# KiCad board poly_kb_molecule_4x4.kicad_pcb (continued)
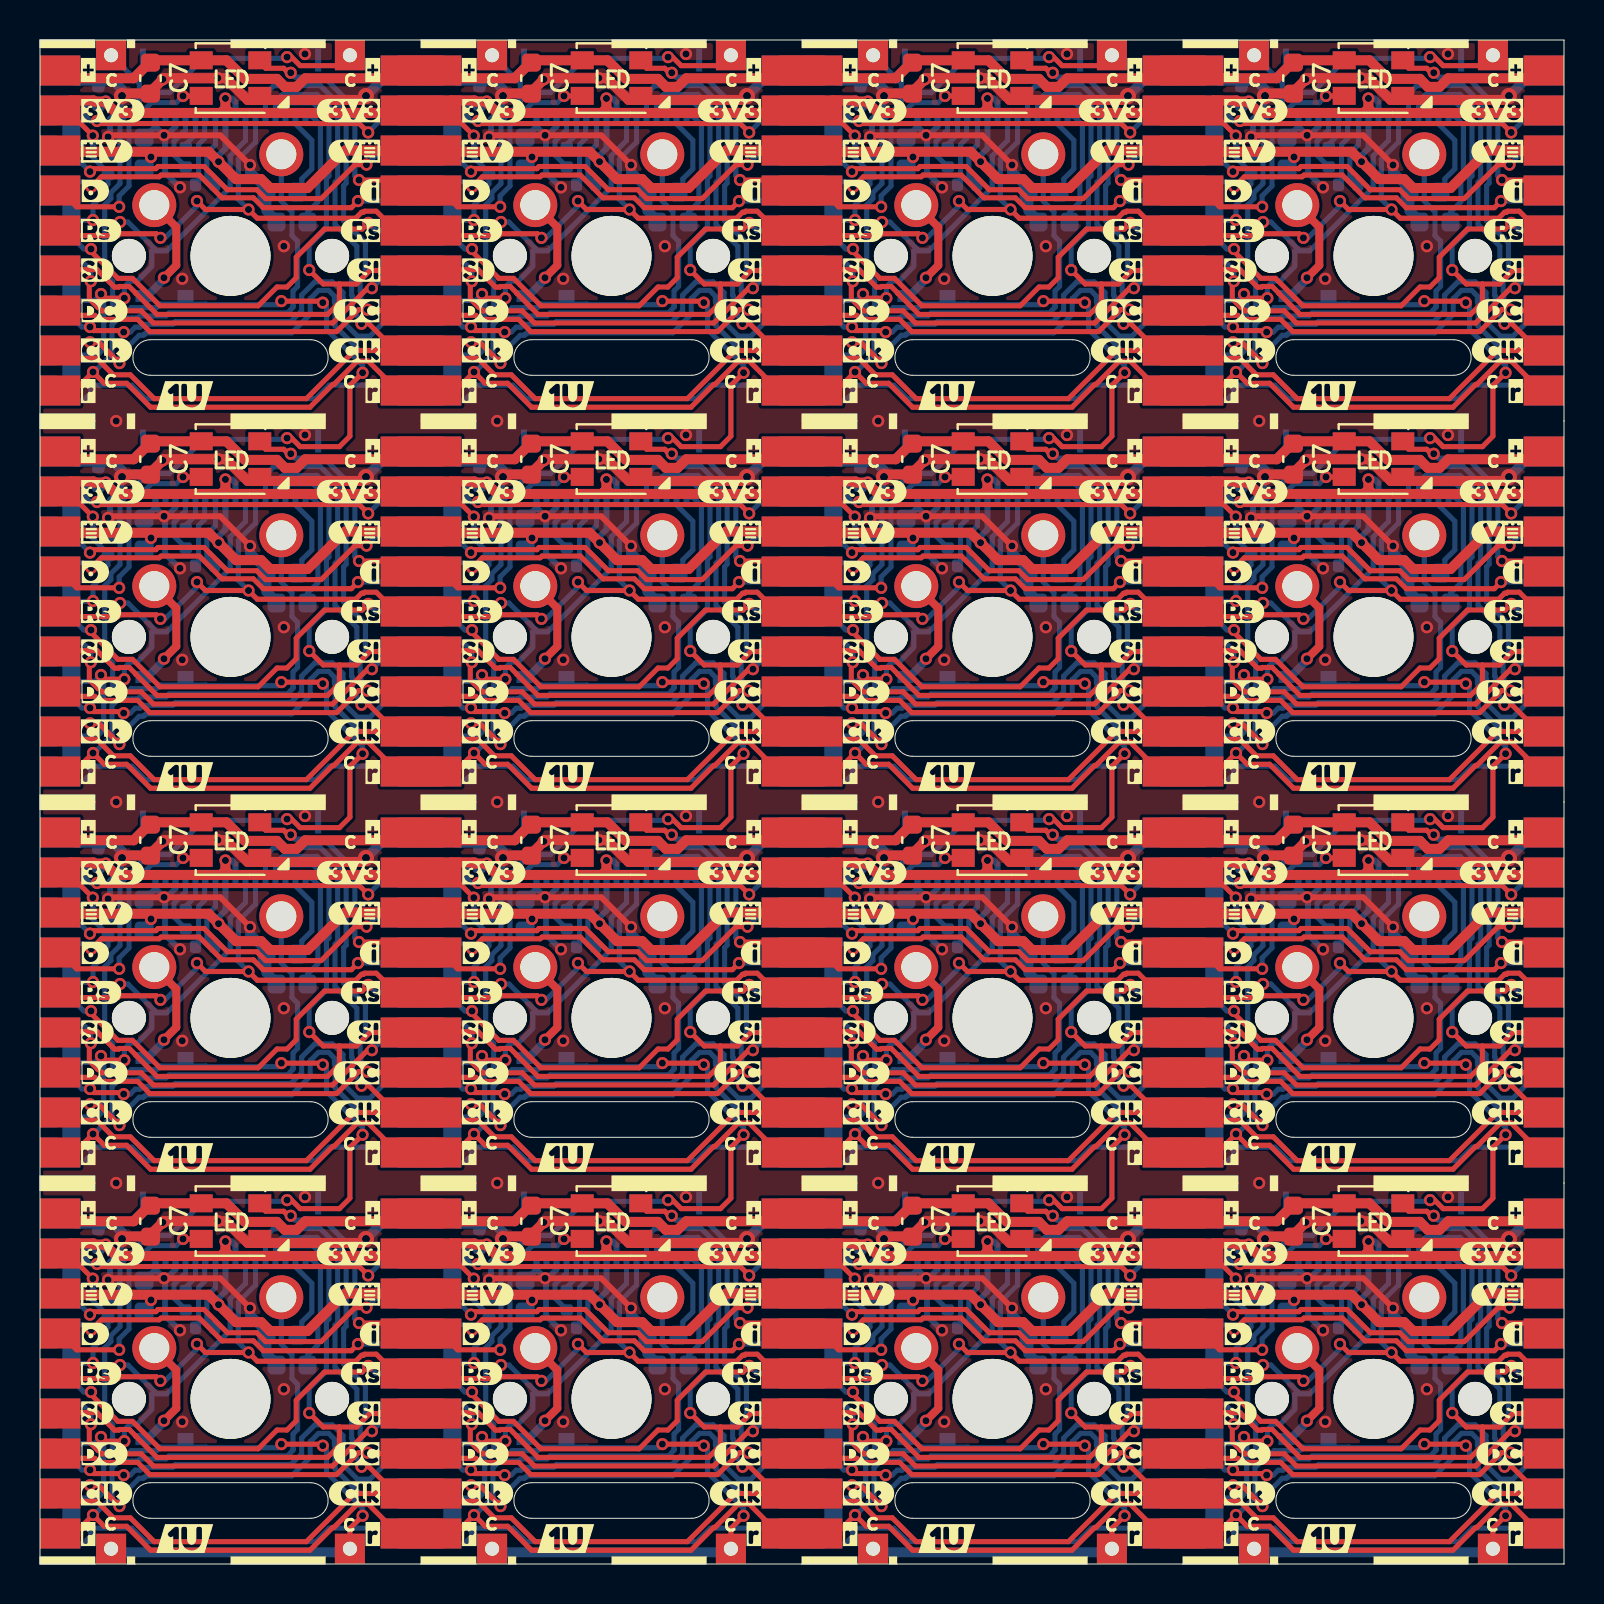
[diagram p0: board, top side]
## Routing (per net, layer and track width the routed paths; a pad name or vN(x,y) marks a point on that pad's centre or on a via; arc(x,y) is an arc through that point) (continued)
  Bottom w0.254: v1(59.65,69.62) 59.22,70.05 59.15,70.05 ; v1(35.37,12.82) 36.08,13.53 36.83,13.53 ; 74.93,32.58 74.18,32.58 v1(73.47,31.87) ; 55.88,70.68 55.13,70.68 v1(54.42,69.97) ; v1(73.47,12.82) 74.18,13.53 74.93,13.53 ; v1(21.55,31.52) 21.12,31.95 21.05,31.95 ; v1(16.32,69.97) 17.03,70.68 17.78,70.68 ; v1(21.55,50.57) 21.12,51 21.05,51 ; 36.83,70.68 36.08,70.68 v1(35.37,69.97) ; v1(2.5,31.52) 2.07,31.95 2,31.95 ; 21.05,70.05 21.12,70.05 v1(21.55,69.62) ; v1(16.32,12.82) 17.03,13.53 17.78,13.53 ; v1(54.42,12.82) 55.13,13.53 55.88,13.53 ; v1(40.6,50.57) 40.17,51 40.1,51 ; 40.1,70.05 40.17,70.05 v1(40.6,69.62) ; 40.1,12.9 40.17,12.9 v1(40.6,12.47) ; v1(59.65,12.47) 59.22,12.9 59.15,12.9 ; 55.88,32.58 55.13,32.58 v1(54.42,31.87) ; v1(73.47,69.97) 74.18,70.68 74.93,70.68 ; v1(35.37,31.87) 36.08,32.58 36.83,32.58 ; v1(2.5,12.47) 2.07,12.9 2,12.9 ; v1(2.5,69.62) 2.07,70.05 2,70.05 ; v1(40.6,31.52) 40.17,31.95 40.1,31.95 ; 55.88,51.63 55.13,51.63 v1(54.42,50.92) ; v1(35.37,50.92) 36.08,51.63 36.83,51.63 ; 59.15,51 59.22,51 v1(59.65,50.57) ; v1(16.32,31.87) 17.03,32.58 17.78,32.58 ; 17.78,51.63 17.03,51.63 v1(16.32,50.92) ; v1(2.5,50.57) 2.07,51 2,51 ; v1(73.47,50.92) 74.18,51.63 74.93,51.63 ; v1(21.55,12.47) 21.12,12.9 21.05,12.9 ; 59.15,31.95 59.22,31.95 v1(59.65,31.52)
  Bottom w1.5: J6#11.3 J5#7.3 ; J6#13.3 J5#4.3 ; J6#10.3 J5#10.3 ; J6#9.3 J5#11.3 ; J6#14.3 J5#6.3 ; J6#15.3 J5#16.3 ; J6.3 J5#13.3 ; J6#3.3 J5#2.3 ; J6#4.3 J5#5.3 ; J6#6.3 J5#12.3 ; J6#2.3 J5#15.3 ; J6#16.3 J5#8.3
CS3: length 320.3
  Top w0.254: v1(59.72,30.76) 60.22,31.26 63.11,31.26 63.2,31.35 65.12,31.35 66.25,30.21 67.82,30.21 68.31,29.72 72.72,29.72 v1(73.05,30.05) ; v1(59.72,68.86) 60.22,69.36 63.11,69.36 63.2,69.45 65.12,69.45 66.25,68.31 67.82,68.31 68.31,67.82 72.72,67.82 v1(73.05,68.15) ; v1(15.9,30.05) 15.57,29.72 11.16,29.72 10.67,30.21 9.1,30.21 7.97,31.35 6.05,31.35 5.96,31.26 3.07,31.26 v1(2.57,30.76) ; v1(34.95,68.15) 34.62,67.82 30.21,67.82 29.72,68.31 28.15,68.31 27.02,69.45 25.1,69.45 25.01,69.36 22.12,69.36 v1(21.62,68.86) ; v1(34.95,30.05) 34.62,29.72 30.21,29.72 29.72,30.21 28.15,30.21 27.02,31.35 25.1,31.35 25.01,31.26 22.12,31.26 v1(21.62,30.76) ; v1(15.9,49.1) 15.57,48.77 11.16,48.77 10.67,49.26 9.1,49.26 7.97,50.4 6.05,50.4 5.96,50.31 3.07,50.31 v1(2.57,49.81) ; v1(34.95,49.1) 34.62,48.77 30.21,48.77 29.72,49.26 28.15,49.26 27.02,50.4 25.1,50.4 25.01,50.31 22.12,50.31 v1(21.62,49.81) ; v1(40.67,11.71) 41.17,12.21 44.06,12.21 44.15,12.3 46.07,12.3 47.2,11.16 48.77,11.16 49.26,10.67 53.67,10.67 v1(54,11) ; v1(40.67,49.81) 41.17,50.31 44.06,50.31 44.15,50.4 46.07,50.4 47.2,49.26 48.77,49.26 49.26,48.77 53.67,48.77 v1(54,49.1) ; v1(73.05,11) 72.72,10.67 68.31,10.67 67.82,11.16 66.25,11.16 65.12,12.3 63.2,12.3 63.11,12.21 60.22,12.21 v1(59.72,11.71) ; v1(40.67,68.86) 41.17,69.36 44.06,69.36 44.15,69.45 46.07,69.45 47.2,68.31 48.77,68.31 49.26,67.82 53.67,67.82 v1(54,68.15) ; v1(34.95,11) 34.62,10.67 30.21,10.67 29.72,11.16 28.15,11.16 27.02,12.3 25.1,12.3 25.01,12.21 22.12,12.21 v1(21.62,11.71) ; v1(73.05,49.1) 72.72,48.77 68.31,48.77 67.82,49.26 66.25,49.26 65.12,50.4 63.2,50.4 63.11,50.31 60.22,50.31 v1(59.72,49.81) ; v1(15.9,68.15) 15.57,67.82 11.16,67.82 10.67,68.31 9.1,68.31 7.97,69.45 6.05,69.45 5.96,69.36 3.07,69.36 v1(2.57,68.86) ; v1(15.9,11) 15.57,10.67 11.16,10.67 10.67,11.16 9.1,11.16 7.97,12.3 6.05,12.3 5.96,12.21 3.07,12.21 v1(2.57,11.71) ; v1(54,30.05) 53.67,29.72 49.26,29.72 48.77,30.21 47.2,30.21 46.07,31.35 44.15,31.35 44.06,31.26 41.17,31.26 v1(40.67,30.76)
  Bottom w0.254: 74.93,49.63 74.4,49.1 v1(73.05,49.1) ; J5#5.4 20,31 21.18,31 21.43,30.76 v1(21.62,30.76) ; v1(21.62,49.81) 21.43,49.81 21.18,50.05 20,50.05 J5#8.4 ; v1(54,30.05) 55.35,30.05 55.88,30.58 ; v1(40.67,49.81) 40.48,49.81 40.23,50.05 39.05,50.05 J5#15.4 ; v1(59.72,68.86) 59.53,68.86 59.28,69.1 58.1,69.1 J5#10.4 ; v1(15.9,68.15) 17.25,68.15 17.78,68.68 ; 36.83,11.53 36.3,11 v1(34.95,11) ; v1(54,49.1) 55.35,49.1 55.88,49.63 ; v1(40.67,11.71) 40.48,11.71 40.23,11.95 39.05,11.95 J5#16.4 ; v1(15.9,11) 17.25,11 17.78,11.53 ; v1(2.57,30.76) 2.38,30.76 2.13,31 0.95,31 J5#14.4 ; v1(40.67,68.86) 40.48,68.86 40.23,69.1 39.05,69.1 J5#2.4 ; J5#6.4 58.1,50.05 59.28,50.05 59.53,49.81 v1(59.72,49.81) ; 74.93,68.68 74.4,68.15 v1(73.05,68.15) ; v1(2.57,49.81) 2.38,49.81 2.13,50.05 0.95,50.05 J5#9.4 ; 17.78,49.63 17.25,49.1 v1(15.9,49.1) ; 36.83,30.58 36.3,30.05 v1(34.95,30.05) ; 36.83,68.68 36.3,68.15 v1(34.95,68.15) ; 74.93,30.58 74.4,30.05 v1(73.05,30.05) ; v1(54,68.15) 55.35,68.15 55.88,68.68 ; v1(21.62,11.71) 21.43,11.71 21.18,11.95 20,11.95 J5#12.4 ; J5#4.4 58.1,11.95 59.28,11.95 59.53,11.71 v1(59.72,11.71) ; 17.78,30.58 17.25,30.05 v1(15.9,30.05) ; v1(2.57,11.71) 2.38,11.71 2.13,11.95 0.95,11.95 J5#3.4 ; v1(21.62,68.86) 21.43,68.86 21.18,69.1 20,69.1 J5#13.4 ; v1(59.72,30.76) 59.53,30.76 59.28,31 58.1,31 J5#11.4 ; v1(40.67,30.76) 40.48,30.76 40.23,31 39.05,31 J5#7.4 ; v1(34.95,49.1) 36.3,49.1 36.83,49.63 ; v1(54,11) 55.35,11 55.88,11.53 ; v1(2.57,68.86) 2.38,68.86 2.13,69.1 0.95,69.1 J5.4 ; 74.93,11.53 74.4,11 v1(73.05,11)
  Bottom w0.3: 1.8,69.14 1.77,69.18 ; 39.9,31.04 39.87,31.08 ; 20.85,50.09 20.82,50.13 ; 1.8,11.99 1.77,12.03 ; 39.9,11.99 39.87,12.03 ; 1.8,31.04 1.77,31.08 ; 20.85,69.14 20.82,69.18 ; 58.95,31.04 58.92,31.08 ; 20.85,11.99 20.82,12.03 ; 20.85,31.04 20.82,31.08 ; 39.9,69.14 39.87,69.18 ; 39.9,50.09 39.87,50.13 ; 58.95,69.14 58.92,69.18 ; 1.8,50.09 1.77,50.13 ; 58.95,50.09 58.92,50.13 ; 58.95,11.99 58.92,12.03
  Bottom w1.5: J6#4.4 J5#5.4 ; J6#16.4 J5#8.4 ; J6#2.4 J5#15.4 ; J6#13.4 J5#4.4 ; J6#14.4 J5#6.4 ; J6#3.4 J5#2.4 ; J6#6.4 J5#12.4 ; J6#15.4 J5#16.4 ; J6#11.4 J5#7.4 ; J6#10.4 J5#10.4 ; J6#9.4 J5#11.4 ; J6.4 J5#13.4
CS4: length 348.3
  Top w0.254: v1(73.56,48) 73.26,47.7 71.37,47.7 69.96,46.29 69.96,45.26 69.5,44.8 69,44.8 68.06,43.86 63.15,43.86 61.78,45.23 61.04,45.23 59.7,46.58 v1(59.7,46.7) ; v1(59.7,27.65) 59.7,27.53 61.04,26.18 61.78,26.18 63.15,24.81 68.06,24.81 69,25.75 69.5,25.75 69.96,26.21 69.96,27.24 71.37,28.65 73.26,28.65 v1(73.56,28.95) ; v1(54.51,28.95) 54.21,28.65 52.32,28.65 50.91,27.24 50.91,26.21 50.45,25.75 49.95,25.75 49.01,24.81 44.1,24.81 42.73,26.18 41.99,26.18 40.65,27.53 v1(40.65,27.65) ; v1(73.56,9.9) 73.26,9.6 71.37,9.6 69.96,8.19 69.96,7.16 69.5,6.7 69,6.7 68.06,5.76 63.15,5.76 61.78,7.13 61.04,7.13 59.7,8.48 v1(59.7,8.6) ; v1(40.65,8.6) 40.65,8.48 41.99,7.13 42.73,7.13 44.1,5.76 49.01,5.76 49.95,6.7 50.45,6.7 50.91,7.16 50.91,8.19 52.32,9.6 54.21,9.6 v1(54.51,9.9) ; v1(35.46,9.9) 35.16,9.6 33.27,9.6 31.86,8.19 31.86,7.16 31.4,6.7 30.9,6.7 29.96,5.76 25.05,5.76 23.68,7.13 22.94,7.13 21.6,8.48 v1(21.6,8.6) ; v1(21.6,46.7) 21.6,46.58 22.94,45.23 23.68,45.23 25.05,43.86 29.96,43.86 30.9,44.8 31.4,44.8 31.86,45.26 31.86,46.29 33.27,47.7 35.16,47.7 v1(35.46,48) ; v1(2.55,46.7) 2.55,46.58 3.89,45.23 4.63,45.23 6,43.86 10.91,43.86 11.85,44.8 12.35,44.8 12.81,45.26 12.81,46.29 14.22,47.7 16.11,47.7 v1(16.41,48) ; v1(35.46,67.05) 35.16,66.75 33.27,66.75 31.86,65.34 31.86,64.31 31.4,63.85 30.9,63.85 29.96,62.91 25.05,62.91 23.68,64.28 22.94,64.28 21.6,65.63 v1(21.6,65.75) ; v1(16.41,9.9) 16.11,9.6 14.22,9.6 12.81,8.19 12.81,7.16 12.35,6.7 11.85,6.7 10.91,5.76 6,5.76 4.63,7.13 3.89,7.13 2.55,8.48 v1(2.55,8.6) ; v1(59.7,65.75) 59.7,65.63 61.04,64.28 61.78,64.28 63.15,62.91 68.06,62.91 69,63.85 69.5,63.85 69.96,64.31 69.96,65.34 71.37,66.75 73.26,66.75 v1(73.56,67.05) ; v1(40.65,46.7) 40.65,46.58 41.99,45.23 42.73,45.23 44.1,43.86 49.01,43.86 49.95,44.8 50.45,44.8 50.91,45.26 50.91,46.29 52.32,47.7 54.21,47.7 v1(54.51,48) ; v1(35.46,28.95) 35.16,28.65 33.27,28.65 31.86,27.24 31.86,26.21 31.4,25.75 30.9,25.75 29.96,24.81 25.05,24.81 23.68,26.18 22.94,26.18 21.6,27.53 v1(21.6,27.65) ; v1(2.55,65.75) 2.55,65.63 3.89,64.28 4.63,64.28 6,62.91 10.91,62.91 11.85,63.85 12.35,63.85 12.81,64.31 12.81,65.34 14.22,66.75 16.11,66.75 v1(16.41,67.05) ; v1(2.55,27.65) 2.55,27.53 3.89,26.18 4.63,26.18 6,24.81 10.91,24.81 11.85,25.75 12.35,25.75 12.81,26.21 12.81,27.24 14.22,28.65 16.11,28.65 v1(16.41,28.95) ; v1(54.51,67.05) 54.21,66.75 52.32,66.75 50.91,65.34 50.91,64.31 50.45,63.85 49.95,63.85 49.01,62.91 44.1,62.91 42.73,64.28 41.99,64.28 40.65,65.63 v1(40.65,65.75)
  Bottom w0.254: v1(54.51,67.05) 54.89,66.68 55.88,66.68 ; v1(40.65,65.75) 40.3,65.75 39.37,66.68 ; 20.32,66.68 21.24,65.75 v1(21.6,65.75) ; 55.88,28.58 54.89,28.58 v1(54.51,28.95) ; 20.32,9.53 21.24,8.6 v1(21.6,8.6) ; v1(73.56,28.95) 73.94,28.58 74.93,28.58 ; 1.27,66.68 2.2,65.75 v1(2.55,65.75) ; 1.27,47.63 2.2,46.7 v1(2.55,46.7) ; 58.42,66.68 59.34,65.75 v1(59.7,65.75) ; 1.27,28.58 2.2,27.65 v1(2.55,27.65) ; v1(73.56,67.05) 73.94,66.68 74.93,66.68 ; 36.83,66.68 35.84,66.68 v1(35.46,67.05) ; 17.78,28.58 16.79,28.58 v1(16.41,28.95) ; v1(35.46,9.9) 35.84,9.53 36.83,9.53 ; v1(59.7,27.65) 59.34,27.65 58.42,28.58 ; 55.88,47.63 54.89,47.63 v1(54.51,48) ; v1(2.55,8.6) 2.2,8.6 1.27,9.53 ; v1(59.7,46.7) 59.34,46.7 58.42,47.63 ; 36.83,47.63 35.84,47.63 v1(35.46,48) ; 17.78,47.63 16.79,47.63 v1(16.41,48) ; 58.42,9.53 59.34,8.6 v1(59.7,8.6) ; v1(21.6,46.7) 21.24,46.7 20.32,47.63 ; v1(16.41,9.9) 16.79,9.53 17.78,9.53 ; 39.37,47.63 40.3,46.7 v1(40.65,46.7) ; 74.93,47.63 73.94,47.63 v1(73.56,48) ; 39.37,28.58 40.3,27.65 v1(40.65,27.65) ; 17.78,66.68 16.79,66.68 v1(16.41,67.05) ; v1(35.46,28.95) 35.84,28.58 36.83,28.58 ; v1(54.51,9.9) 54.89,9.53 55.88,9.53 ; 39.37,9.53 40.3,8.6 v1(40.65,8.6) ; 74.93,9.53 73.94,9.53 v1(73.56,9.9) ; 20.32,28.58 21.24,27.65 v1(21.6,27.65)
  Bottom w1.5: J6#14.5 J5#6.5 ; J6.5 J5#13.5 ; J6#16.5 J5#8.5 ; J6#2.5 J5#15.5 ; J6#13.5 J5#4.5 ; J6#11.5 J5#7.5 ; J6#6.5 J5#12.5 ; J6#3.5 J5#2.5 ; J6#4.5 J5#5.5 ; J6#9.5 J5#11.5 ; J6#10.5 J5#10.5 ; J6#15.5 J5#16.5
CS5: length 350.3
  Top w0.254: v1(40.64,6.99) 40.57,6.91 40.57,6.11 40.98,5.69 41.01,5.69 41.19,5.51 43.16,5.51 43.77,4.9 52.74,4.9 54.48,6.64 v1(54.7,6.64) ; v1(16.6,6.64) 16.38,6.64 14.64,4.9 5.67,4.9 5.06,5.51 3.09,5.51 2.91,5.69 2.88,5.69 2.47,6.11 2.47,6.91 v1(2.54,6.99) ; v1(40.64,45.09) 40.57,45.01 40.57,44.21 40.98,43.79 41.01,43.79 41.19,43.61 43.16,43.61 43.77,43 52.74,43 54.48,44.74 v1(54.7,44.74) ; v1(21.59,6.99) 21.52,6.91 21.52,6.11 21.93,5.69 21.96,5.69 22.14,5.51 24.11,5.51 24.72,4.9 33.69,4.9 35.43,6.64 v1(35.65,6.64) ; v1(73.75,25.69) 73.53,25.69 71.79,23.95 62.82,23.95 62.21,24.56 60.24,24.56 60.06,24.74 60.03,24.74 59.62,25.16 59.62,25.96 v1(59.69,26.04) ; v1(2.54,64.14) 2.47,64.06 2.47,63.26 2.88,62.84 2.91,62.84 3.09,62.66 5.06,62.66 5.67,62.05 14.64,62.05 16.38,63.79 v1(16.6,63.79) ; v1(21.59,64.14) 21.52,64.06 21.52,63.26 21.93,62.84 21.96,62.84 22.14,62.66 24.11,62.66 24.72,62.05 33.69,62.05 35.43,63.79 v1(35.65,63.79) ; v1(59.69,64.14) 59.62,64.06 59.62,63.26 60.03,62.84 60.06,62.84 60.24,62.66 62.21,62.66 62.82,62.05 71.79,62.05 73.53,63.79 v1(73.75,63.79) ; v1(40.64,64.14) 40.57,64.06 40.57,63.26 40.98,62.84 41.01,62.84 41.19,62.66 43.16,62.66 43.77,62.05 52.74,62.05 54.48,63.79 v1(54.7,63.79) ; v1(59.69,6.99) 59.62,6.91 59.62,6.11 60.03,5.69 60.06,5.69 60.24,5.51 62.21,5.51 62.82,4.9 71.79,4.9 73.53,6.64 v1(73.75,6.64) ; v1(16.6,25.69) 16.38,25.69 14.64,23.95 5.67,23.95 5.06,24.56 3.09,24.56 2.91,24.74 2.88,24.74 2.47,25.16 2.47,25.96 v1(2.54,26.04) ; v1(35.65,44.74) 35.43,44.74 33.69,43 24.72,43 24.11,43.61 22.14,43.61 21.96,43.79 21.93,43.79 21.52,44.21 21.52,45.01 v1(21.59,45.09) ; v1(35.65,25.69) 35.43,25.69 33.69,23.95 24.72,23.95 24.11,24.56 22.14,24.56 21.96,24.74 21.93,24.74 21.52,25.16 21.52,25.96 v1(21.59,26.04) ; v1(73.75,44.74) 73.53,44.74 71.79,43 62.82,43 62.21,43.61 60.24,43.61 60.06,43.79 60.03,43.79 59.62,44.21 59.62,45.01 v1(59.69,45.09) ; v1(2.54,45.09) 2.47,45.01 2.47,44.21 2.88,43.79 2.91,43.79 3.09,43.61 5.06,43.61 5.67,43 14.64,43 16.38,44.74 v1(16.6,44.74) ; v1(40.64,26.04) 40.57,25.96 40.57,25.16 40.98,24.74 41.01,24.74 41.19,24.56 43.16,24.56 43.77,23.95 52.74,23.95 54.48,25.69 v1(54.7,25.69)
  Bottom w0.254: J5#6.6 58.1,46.06 59.28,46.06 59.69,45.65 v1(59.69,45.09) ; v1(35.65,63.79) 36.53,64.68 36.83,64.68 ; v1(40.64,6.99) 40.64,7.55 40.23,7.96 39.05,7.96 J5#16.6 ; v1(21.59,26.04) 21.59,26.6 21.18,27.01 20,27.01 J5#5.6 ; J5#12.6 20,7.96 21.18,7.96 21.59,7.55 v1(21.59,6.99) ; v1(21.59,45.09) 21.59,45.65 21.18,46.06 20,46.06 J5#8.6 ; v1(54.7,44.74) 55.58,45.63 55.88,45.63 ; J5#10.6 58.1,65.11 59.28,65.11 59.69,64.7 v1(59.69,64.14) ; v1(73.75,6.64) 74.63,7.53 74.93,7.53 ; J5#4.6 58.1,7.96 59.28,7.96 59.69,7.55 v1(59.69,6.99) ; v1(73.75,63.79) 74.63,64.68 74.93,64.68 ; 55.88,26.58 55.58,26.58 v1(54.7,25.69) ; v1(40.64,45.09) 40.64,45.65 40.23,46.06 39.05,46.06 J5#15.6 ; 36.83,26.58 36.53,26.58 v1(35.65,25.69) ; 36.83,45.63 36.53,45.63 v1(35.65,44.74) ; J5#11.6 58.1,27.01 59.28,27.01 59.69,26.6 v1(59.69,26.04) ; v1(2.54,26.04) 2.54,26.6 2.13,27.01 0.95,27.01 J5#14.6 ; 55.88,7.53 55.58,7.53 v1(54.7,6.64) ; v1(21.59,64.14) 21.59,64.7 21.18,65.11 20,65.11 J5#13.6 ; 17.78,64.68 17.48,64.68 v1(16.6,63.79) ; v1(40.64,64.14) 40.64,64.7 40.23,65.11 39.05,65.11 J5#2.6 ; v1(40.64,26.04) 40.64,26.6 40.23,27.01 39.05,27.01 J5#7.6 ; 55.88,64.68 55.58,64.68 v1(54.7,63.79) ; v1(16.6,6.64) 17.48,7.53 17.78,7.53 ; v1(2.54,64.14) 2.54,64.7 2.13,65.11 0.95,65.11 J5.6 ; 17.78,26.58 17.48,26.58 v1(16.6,25.69) ; v1(73.75,25.69) 74.63,26.58 74.93,26.58 ; v1(73.75,44.74) 74.63,45.63 74.93,45.63 ; v1(35.65,6.64) 36.53,7.53 36.83,7.53 ; J5#9.6 0.95,46.06 2.13,46.06 2.54,45.65 v1(2.54,45.09) ; v1(16.6,44.74) 17.48,45.63 17.78,45.63 ; v1(2.54,6.99) 2.54,7.55 2.13,7.96 0.95,7.96 J5#3.6
  Bottom w1.5: J6#6.6 J5#12.6 ; J6#13.6 J5#4.6 ; J6.6 J5#13.6 ; J6#4.6 J5#5.6 ; J6#15.6 J5#16.6 ; J6#9.6 J5#11.6 ; J6#3.6 J5#2.6 ; J6#2.6 J5#15.6 ; J6#14.6 J5#6.6 ; J6#10.6 J5#10.6 ; J6#11.6 J5#7.6 ; J6#16.6 J5#8.6
CS6: length 353.9
  Top w0.254: v1(61.33,42.55) 61.26,42.62 59.83,42.62 v1(59.65,42.8) ; v1(23.23,61.6) 23.16,61.67 21.73,61.67 v1(21.55,61.85) ; v1(59.65,61.85) 59.83,61.67 61.26,61.67 v1(61.33,61.6) ; v1(42.28,42.55) 42.21,42.62 40.78,42.62 v1(40.6,42.8) ; v1(21.55,4.7) 21.73,4.52 23.16,4.52 v1(23.23,4.45) ; v1(61.33,23.5) 61.26,23.57 59.83,23.57 v1(59.65,23.75) ; v1(61.33,4.45) 61.26,4.52 59.83,4.52 v1(59.65,4.7) ; v1(2.5,4.7) 2.68,4.52 4.11,4.52 v1(4.18,4.45) ; v1(2.5,42.8) 2.68,42.62 4.11,42.62 v1(4.18,42.55) ; v1(40.6,61.85) 40.78,61.67 42.21,61.67 v1(42.28,61.6) ; v1(4.18,61.6) 4.11,61.67 2.68,61.67 v1(2.5,61.85) ; v1(4.18,23.5) 4.11,23.57 2.68,23.57 v1(2.5,23.75) ; v1(21.55,42.8) 21.73,42.62 23.16,42.62 v1(23.23,42.55) ; v1(23.23,23.5) 23.16,23.57 21.73,23.57 v1(21.55,23.75) ; v1(40.6,4.7) 40.78,4.52 42.21,4.52 v1(42.28,4.45) ; v1(42.28,23.5) 42.21,23.57 40.78,23.57 v1(40.6,23.75)
  Bottom w0.254: 36.83,43.63 35.54,42.34 34.92,42.34 34.23,43.03 34.23,44.19 34.2,44.22 34.2,44.52 33.66,45.06 32.8,45.06 32.13,44.39 32.13,43.61 31.6,43.08 25.83,43.08 25.68,42.93 24.21,42.93 24.11,42.84 24.1,42.84 24.05,42.79 23.81,42.79 23.56,42.55 v1(23.23,42.55) ; v1(61.33,23.5) 61.66,23.5 61.91,23.74 62.15,23.74 62.2,23.79 62.21,23.79 62.31,23.88 63.78,23.88 63.93,24.03 69.7,24.03 70.23,24.56 70.23,25.34 70.9,26.01 71.76,26.01 72.3,25.47 72.3,25.17 72.33,25.14 72.33,23.98 73.02,23.29 73.64,23.29 74.93,24.58 ; v1(21.55,23.75) 21.14,23.75 20.32,24.58 ; v1(21.55,61.85) 21.14,61.85 20.32,62.68 ; v1(40.6,42.8) 40.19,42.8 39.37,43.63 ; 58.42,43.63 59.25,42.8 v1(59.65,42.8) ; 1.27,24.58 2.09,23.75 v1(2.5,23.75) ; 17.78,43.63 16.49,42.34 15.87,42.34 15.18,43.03 15.18,44.19 15.15,44.22 15.15,44.52 14.61,45.06 13.75,45.06 13.08,44.39 13.08,43.61 12.55,43.08 6.78,43.08 6.63,42.93 5.16,42.93 5.06,42.84 5.05,42.84 5,42.79 4.76,42.79 4.51,42.55 v1(4.18,42.55) ; 39.37,5.53 40.19,4.7 v1(40.6,4.7) ; 55.88,24.58 54.59,23.29 53.97,23.29 53.28,23.98 53.28,25.14 53.25,25.17 53.25,25.47 52.71,26.01 51.85,26.01 51.18,25.34 51.18,24.56 50.65,24.03 44.88,24.03 44.73,23.88 43.26,23.88 43.16,23.79 43.15,23.79 43.1,23.74 42.86,23.74 42.61,23.5 v1(42.28,23.5) ; v1(61.33,42.55) 61.66,42.55 61.91,42.79 62.15,42.79 62.2,42.84 62.21,42.84 62.31,42.93 63.78,42.93 63.93,43.08 69.7,43.08 70.23,43.61 70.23,44.39 70.9,45.06 71.76,45.06 72.3,44.52 72.3,44.22 72.33,44.19 72.33,43.03 73.02,42.34 73.64,42.34 74.93,43.63 ; 74.93,62.68 73.64,61.39 73.02,61.39 72.33,62.08 72.33,63.24 72.3,63.27 72.3,63.57 71.76,64.11 70.9,64.11 70.23,63.44 70.23,62.66 69.7,62.13 63.93,62.13 63.78,61.98 62.31,61.98 62.21,61.89 62.2,61.89 62.15,61.84 61.91,61.84 61.66,61.6 v1(61.33,61.6) ; 74.93,5.53 73.64,4.24 73.02,4.24 72.33,4.93 72.33,6.09 72.3,6.12 72.3,6.42 71.76,6.96 70.9,6.96 70.23,6.29 70.23,5.51 69.7,4.98 63.93,4.98 63.78,4.83 62.31,4.83 62.21,4.74 62.2,4.74 62.15,4.69 61.91,4.69 61.66,4.45 v1(61.33,4.45) ; 55.88,5.53 54.59,4.24 53.97,4.24 53.28,4.93 53.28,6.09 53.25,6.12 53.25,6.42 52.71,6.96 51.85,6.96 51.18,6.29 51.18,5.51 50.65,4.98 44.88,4.98 44.73,4.83 43.26,4.83 43.16,4.74 43.15,4.74 43.1,4.69 42.86,4.69 42.61,4.45 v1(42.28,4.45) ; 1.27,43.63 2.09,42.8 v1(2.5,42.8) ; v1(40.6,23.75) 40.19,23.75 39.37,24.58 ; v1(2.5,61.85) 2.09,61.85 1.27,62.68 ; 58.42,24.58 59.25,23.75 v1(59.65,23.75) ; v1(21.55,42.8) 21.14,42.8 20.32,43.63 ; v1(21.55,4.7) 21.14,4.7 20.32,5.53 ; v1(42.28,61.6) 42.61,61.6 42.86,61.84 43.1,61.84 43.15,61.89 43.16,61.89 43.26,61.98 44.73,61.98 44.88,62.13 50.65,62.13 51.18,62.66 51.18,63.44 51.85,64.11 52.71,64.11 53.25,63.57 53.25,63.27 53.28,63.24 53.28,62.08 53.97,61.39 54.59,61.39 55.88,62.68 ; 55.88,43.63 54.59,42.34 53.97,42.34 53.28,43.03 53.28,44.19 53.25,44.22 53.25,44.52 52.71,45.06 51.85,45.06 51.18,44.39 51.18,43.61 50.65,43.08 44.88,43.08 44.73,42.93 43.26,42.93 43.16,42.84 43.15,42.84 43.1,42.79 42.86,42.79 42.61,42.55 v1(42.28,42.55) ; 17.78,62.68 16.49,61.39 15.87,61.39 15.18,62.08 15.18,63.24 15.15,63.27 15.15,63.57 14.61,64.11 13.75,64.11 13.08,63.44 13.08,62.66 12.55,62.13 6.78,62.13 6.63,61.98 5.16,61.98 5.06,61.89 5.05,61.89 5,61.84 4.76,61.84 4.51,61.6 v1(4.18,61.6) ; 36.83,5.53 35.54,4.24 34.92,4.24 34.23,4.93 34.23,6.09 34.2,6.12 34.2,6.42 33.66,6.96 32.8,6.96 32.13,6.29 32.13,5.51 31.6,4.98 25.83,4.98 25.68,4.83 24.21,4.83 24.11,4.74 24.1,4.74 24.05,4.69 23.81,4.69 23.56,4.45 v1(23.23,4.45) ; v1(23.23,61.6) 23.56,61.6 23.81,61.84 24.05,61.84 24.1,61.89 24.11,61.89 24.21,61.98 25.68,61.98 25.83,62.13 31.6,62.13 32.13,62.66 32.13,63.44 32.8,64.11 33.66,64.11 34.2,63.57 34.2,63.27 34.23,63.24 34.23,62.08 34.92,61.39 35.54,61.39 36.83,62.68 ; 39.37,62.68 40.19,61.85 v1(40.6,61.85) ; 17.78,5.53 16.49,4.24 15.87,4.24 15.18,4.93 15.18,6.09 15.15,6.12 15.15,6.42 14.61,6.96 13.75,6.96 13.08,6.29 13.08,5.51 12.55,4.98 6.78,4.98 6.63,4.83 5.16,4.83 5.06,4.74 5.05,4.74 5,4.69 4.76,4.69 4.51,4.45 v1(4.18,4.45) ; v1(23.23,23.5) 23.56,23.5 23.81,23.74 24.05,23.74 24.1,23.79 24.11,23.79 24.21,23.88 25.68,23.88 25.83,24.03 31.6,24.03 32.13,24.56 32.13,25.34 32.8,26.01 33.66,26.01 34.2,25.47 34.2,25.17 34.23,25.14 34.23,23.98 34.92,23.29 35.54,23.29 36.83,24.58 ; 17.78,24.58 16.49,23.29 15.87,23.29 15.18,23.98 15.18,25.14 15.15,25.17 15.15,25.47 14.61,26.01 13.75,26.01 13.08,25.34 13.08,24.56 12.55,24.03 6.78,24.03 6.63,23.88 5.16,23.88 5.06,23.79 5.05,23.79 5,23.74 4.76,23.74 4.51,23.5 v1(4.18,23.5) ; v1(59.65,61.85) 59.25,61.85 58.42,62.68 ; 58.42,5.53 59.25,4.7 v1(59.65,4.7) ; v1(2.5,4.7) 2.09,4.7 1.27,5.53
  Bottom w1.5: J6#15.7 J5#16.7 ; J6#2.7 J5#15.7 ; J6#14.7 J5#6.7 ; J6#16.7 J5#8.7 ; J6#3.7 J5#2.7 ; J6.7 J5#13.7 ; J6#9.7 J5#11.7 ; J6#11.7 J5#7.7 ; J6#4.7 J5#5.7 ; J6#13.7 J5#4.7 ; J6#6.7 J5#12.7 ; J6#10.7 J5#10.7
CS7: length 377.3
  Top w0.254: v1(2.5,42.04) 2.93,42.04 v1(3.97,40.99) ; v1(3.97,2.89) 2.93,3.94 v1(2.5,3.94) ; v1(23.02,40.99) 21.98,42.04 v1(21.55,42.04) ; v1(61.12,60.04) 60.08,61.09 v1(59.65,61.09) ; v1(40.6,61.09) 41.03,61.09 v1(42.07,60.04) ; v1(42.07,21.94) 41.03,22.99 v1(40.6,22.99) ; v1(21.55,3.94) 21.98,3.94 v1(23.02,2.89) ; v1(23.02,60.04) 21.98,61.09 v1(21.55,61.09) ; v1(42.07,40.99) 41.03,42.04 v1(40.6,42.04) ; v1(3.97,21.94) 2.93,22.99 v1(2.5,22.99) ; v1(59.65,42.04) 60.08,42.04 v1(61.12,40.99) ; v1(61.12,21.94) 60.08,22.99 v1(59.65,22.99) ; v1(21.55,22.99) 21.98,22.99 v1(23.02,21.94) ; v1(61.12,2.89) 60.08,3.94 v1(59.65,3.94) ; v1(40.6,3.94) 41.03,3.94 v1(42.07,2.89) ; v1(3.97,60.04) 2.93,61.09 v1(2.5,61.09)
  Bottom w0.254: v1(42.07,21.94) 42.07,22.2 42.11,22.23 42.11,22.38 43.06,23.34 43.26,23.34 43.31,23.38 43.33,23.38 43.4,23.45 50.68,23.45 51.61,24.38 51.61,25.16 51.63,25.17 51.63,25.18 51.63,25.18 51.63,25.19 52.03,25.58 52.53,25.58 52.82,25.29 52.82,24.99 52.86,24.96 52.86,23.8 54.08,22.58 J6#9.8 ; v1(40.6,3.94) 40.58,3.96 39.05,3.96 J5#16.8 ; v1(40.6,22.99) 40.58,23.01 39.05,23.01 J5#7.8 ; v1(3.97,21.94) 3.97,22.2 4.01,22.23 4.01,22.38 4.96,23.34 5.16,23.34 5.21,23.38 5.23,23.38 5.3,23.45 12.58,23.45 13.51,24.38 13.51,25.16 13.53,25.17 13.53,25.18 13.53,25.18 13.53,25.19 13.93,25.58 14.43,25.58 14.72,25.29 14.72,24.99 14.76,24.96 14.76,23.8 15.98,22.58 J6#4.8 ; v1(3.97,60.04) 3.97,60.3 4.01,60.33 4.01,60.48 4.96,61.44 5.16,61.44 5.21,61.48 5.23,61.48 5.3,61.55 12.58,61.55 13.51,62.48 13.51,63.26 13.53,63.27 13.53,63.28 13.53,63.28 13.53,63.29 13.93,63.68 14.43,63.68 14.72,63.39 14.72,63.09 14.76,63.06 14.76,61.9 15.98,60.68 J6.8 ; v1(23.02,40.99) 23.02,41.25 23.06,41.28 23.06,41.43 24.01,42.39 24.21,42.39 24.26,42.43 24.28,42.43 24.35,42.5 31.63,42.5 32.56,43.43 32.56,44.21 32.58,44.22 32.58,44.23 32.58,44.23 32.58,44.24 32.98,44.63 33.48,44.63 33.77,44.34 33.77,44.04 33.81,44.01 33.81,42.85 35.03,41.63 J6#2.8 ; v1(61.12,60.04) 61.12,60.3 61.16,60.33 61.16,60.48 62.11,61.44 62.31,61.44 62.36,61.48 62.38,61.48 62.45,61.55 69.73,61.55 70.66,62.48 70.66,63.26 70.68,63.27 70.68,63.28 70.68,63.28 70.68,63.29 71.08,63.68 71.58,63.68 71.87,63.39 71.87,63.09 71.91,63.06 71.91,61.9 73.13,60.68 J6#8.8 ; J5#2.8 39.05,61.11 40.58,61.11 v1(40.6,61.09) ; J5#12.8 20,3.96 21.53,3.96 v1(21.55,3.94) ; J5#10.8 58.1,61.11 59.63,61.11 v1(59.65,61.09) ; J5#8.8 20,42.06 21.53,42.06 v1(21.55,42.04) ; J6#6.8 15.98,3.53 14.76,4.75 14.76,5.91 14.72,5.94 14.72,6.24 14.43,6.53 13.93,6.53 13.53,6.14 13.53,6.13 13.53,6.13 13.53,6.12 13.51,6.11 13.51,5.33 12.58,4.4 5.3,4.4 5.23,4.33 5.21,4.33 5.16,4.29 4.96,4.29 4.01,3.33 4.01,3.18 3.97,3.15 v1(3.97,2.89) ; J5#14.8 0.95,23.01 2.48,23.01 v1(2.5,22.99) ; v1(59.65,42.04) 59.63,42.06 58.1,42.06 J5#6.8 ; v1(61.12,2.89) 61.12,3.15 61.16,3.18 61.16,3.33 62.11,4.29 62.31,4.29 62.36,4.33 62.38,4.33 62.45,4.4 69.73,4.4 70.66,5.33 70.66,6.11 70.68,6.12 70.68,6.13 70.68,6.13 70.68,6.14 71.08,6.53 71.58,6.53 71.87,6.24 71.87,5.94 71.91,5.91 71.91,4.75 73.13,3.53 J6#7.8 ; J5#13.8 20,61.11 21.53,61.11 v1(21.55,61.09) ; J6#15.8 35.03,3.53 33.81,4.75 33.81,5.91 33.77,5.94 33.77,6.24 33.48,6.53 32.98,6.53 32.58,6.14 32.58,6.13 32.58,6.13 32.58,6.12 32.56,6.11 32.56,5.33 31.63,4.4 24.35,4.4 24.28,4.33 24.26,4.33 24.21,4.29 24.01,4.29 23.06,3.33 23.06,3.18 23.02,3.15 v1(23.02,2.89) ; J5.8 0.95,61.11 2.48,61.11 v1(2.5,61.09) ; J5#11.8 58.1,23.01 59.63,23.01 v1(59.65,22.99) ; J5#5.8 20,23.01 21.53,23.01 v1(21.55,22.99) ; J6#3.8 35.03,60.68 33.81,61.9 33.81,63.06 33.77,63.09 33.77,63.39 33.48,63.68 32.98,63.68 32.58,63.29 32.58,63.28 32.58,63.28 32.58,63.27 32.56,63.26 32.56,62.48 31.63,61.55 24.35,61.55 24.28,61.48 24.26,61.48 24.21,61.44 24.01,61.44 23.06,60.48 23.06,60.33 23.02,60.3 v1(23.02,60.04) ; v1(2.5,42.04) 2.48,42.06 0.95,42.06 J5#9.8 ; J6#10.8 54.08,60.68 52.86,61.9 52.86,63.06 52.82,63.09 52.82,63.39 52.53,63.68 52.03,63.68 51.63,63.29 51.63,63.28 51.63,63.28 51.63,63.27 51.61,63.26 51.61,62.48 50.68,61.55 43.4,61.55 43.33,61.48 43.31,61.48 43.26,61.44 43.06,61.44 42.11,60.48 42.11,60.33 42.07,60.3 v1(42.07,60.04) ; v1(42.07,2.89) 42.07,3.15 42.11,3.18 42.11,3.33 43.06,4.29 43.26,4.29 43.31,4.33 43.33,4.33 43.4,4.4 50.68,4.4 51.61,5.33 51.61,6.11 51.63,6.12 51.63,6.13 51.63,6.13 51.63,6.14 52.03,6.53 52.53,6.53 52.82,6.24 52.82,5.94 52.86,5.91 52.86,4.75 54.08,3.53 J6#13.8 ; J6#12.8 73.13,22.58 71.91,23.8 71.91,24.96 71.87,24.99 71.87,25.29 71.58,25.58 71.08,25.58 70.68,25.19 70.68,25.18 70.68,25.18 70.68,25.17 70.66,25.16 70.66,24.38 69.73,23.45 62.45,23.45 62.38,23.38 62.36,23.38 62.31,23.34 62.11,23.34 61.16,22.38 61.16,22.23 61.12,22.2 v1(61.12,21.94) ; v1(2.5,3.94) 2.48,3.96 0.95,3.96 J5#3.8 ; v1(61.12,40.99) 61.12,41.25 61.16,41.28 61.16,41.43 62.11,42.39 62.31,42.39 62.36,42.43 62.38,42.43 62.45,42.5 69.73,42.5 70.66,43.43 70.66,44.21 70.68,44.22 70.68,44.23 70.68,44.23 70.68,44.24 71.08,44.63 71.58,44.63 71.87,44.34 71.87,44.04 71.91,44.01 71.91,42.85 73.13,41.63 J6#5.8 ; J6#14.8 54.08,41.63 52.86,42.85 52.86,44.01 52.82,44.04 52.82,44.34 52.53,44.63 52.03,44.63 51.63,44.24 51.63,44.23 51.63,44.23 51.63,44.22 51.61,44.21 51.61,43.43 50.68,42.5 43.4,42.5 43.33,42.43 43.31,42.43 43.26,42.39 43.06,42.39 42.11,41.43 42.11,41.28 42.07,41.25 v1(42.07,40.99) ; J5#15.8 39.05,42.06 40.58,42.06 v1(40.6,42.04) ; J5#4.8 58.1,3.96 59.63,3.96 v1(59.65,3.94) ; v1(3.97,40.99) 3.97,41.25 4.01,41.28 4.01,41.43 4.96,42.39 5.16,42.39 5.21,42.43 5.23,42.43 5.3,42.5 12.58,42.5 13.51,43.43 13.51,44.21 13.53,44.22 13.53,44.23 13.53,44.23 13.53,44.24 13.93,44.63 14.43,44.63 14.72,44.34 14.72,44.04 14.76,44.01 14.76,42.85 15.98,41.63 J6#16.8 ; J6#11.8 35.03,22.58 33.81,23.8 33.81,24.96 33.77,24.99 33.77,25.29 33.48,25.58 32.98,25.58 32.58,25.19 32.58,25.18 32.58,25.18 32.58,25.17 32.56,25.16 32.56,24.38 31.63,23.45 24.35,23.45 24.28,23.38 24.26,23.38 24.21,23.34 24.01,23.34 23.06,22.38 23.06,22.23 23.02,22.2 v1(23.02,21.94)
  Bottom w1.5: J6#2.8 J5#15.8 ; J6#11.8 J5#7.8 ; J6#6.8 J5#12.8 ; J6.8 J5#13.8 ; J6#4.8 J5#5.8 ; J6#13.8 J5#4.8 ; J6#9.8 J5#11.8 ; J6#10.8 J5#10.8 ; J6#14.8 J5#6.8 ; J6#16.8 J5#8.8 ; J6#15.8 J5#16.8 ; J6#3.8 J5#2.8
